# Altium PCB RTM_4SFP_3QSFP.PcbDoc (part 1 of 4) (continued)
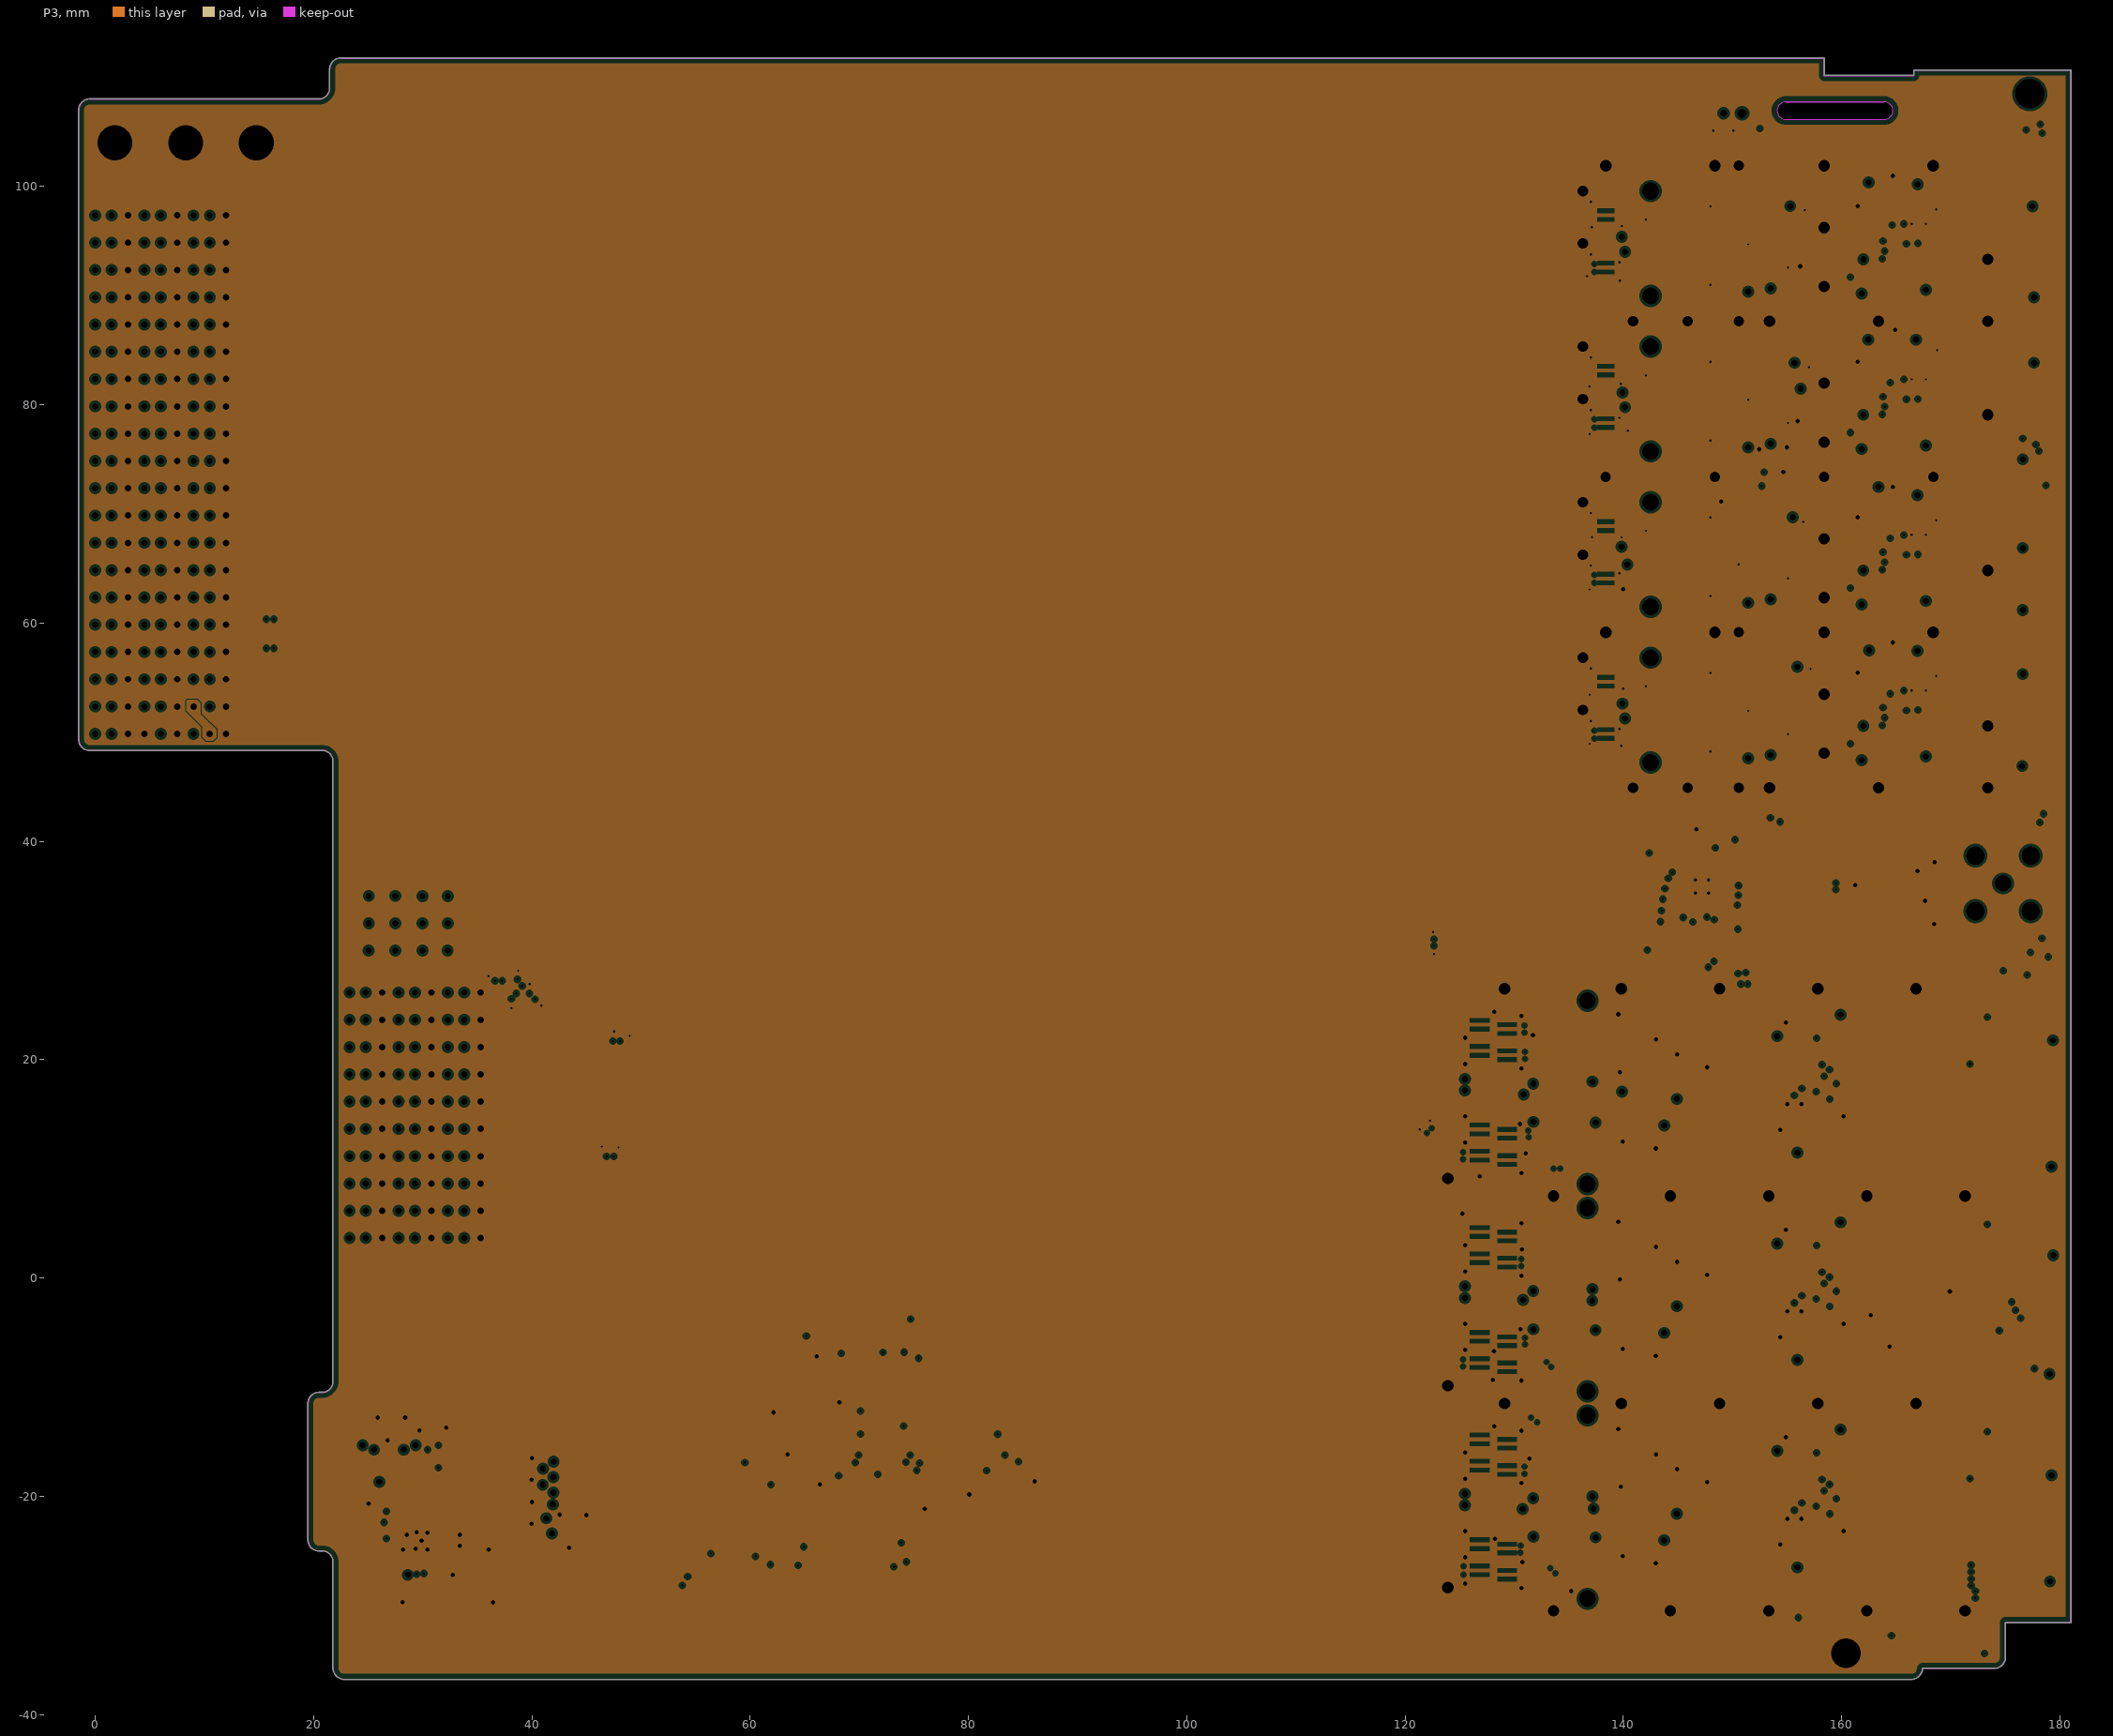
[diagram p3: P3, clearances drawn from the general rule]

## Layer stack, top to bottom
Top Solder: solder mask 0.01, Solder Resist, Dk 3.5
L1: signal copper 0.03
Dielectric1: prepreg 0.099, FR408, Dk 3.54
P2: plane copper 0.036, net (Multiple Nets)
Dielectric 3: core 1.25, FR408, Dk 3.54
P3: plane copper 0.036, net (Multiple Nets)
Dielectric 2: prepreg 0.099, FR408, Dk 3.54
L4: signal copper 0.03
Bottom Solder: solder mask 0.01, Solder Resist, Dk 3.5

## Board outline
19.475,-24 ccw(c20.5,-24) 20.5,-25.025 ccw(c20.5,-25) 20.501,-25.025 20.8,-25.025 cw(c20.8,-26) 21.775,-25.999 cw(c20.8,-26) 21.775,-26 cw(c21.8,-26) 21.775,-25.999 21.775,-26 21.775,-35.75 ccw(c21.8,-35.75) 21.775,-35.751 ccw(c22.8,-35.75) 22.799,-36.775 ccw(c22.8,-35.75) 22.8,-36.775 166.396,-36.775 ccw(c166.404,-36.751) 166.404,-36.777 ccw(c166.404,-35.751) 167.429,-35.777 174.004,-35.777 ccw(c174.004,-35.751) 174.004,-35.777 ccw(c174.004,-34.751) 175.029,-34.751 ccw(c175.004,-34.751) 175.025,-34.738 175.025,-31.576 180.999,-31.576 ccw(c180.999,-31.551) 181.024,-31.551 181.024,110.651 ccw(c180.999,110.651) 180.999,110.677 166.638,110.677 ccw(c166.638,110.651) 166.613,110.651 166.613,110.176 158.425,110.176 158.425,111.75 ccw(c158.4,111.75) 158.4,111.775 22.5,111.775 ccw(c22.5,111.75) 22.499,111.775 cw(c22.5,110.75) 22.5,111.775 cw(c22.5,111.75) 22.5,111.775 22.499,111.775 ccw(c22.5,110.75) 21.475,110.75 ccw(c21.5,110.75) 21.475,110.749 21.475,109 cw(c21.5,109) 21.475,109.001 21.475,109 cw(c20.5,109) 20.501,108.025 ccw(c20.5,108) 20.5,108.025 -0.5,108.025 ccw(c-0.5,108) -0.501,108.025 cw(c-0.5,107) -0.5,108.025 cw(c-0.5,108) -0.5,108.025 -0.501,108.025 ccw(c-0.5,107) -1.525,107 ccw(c-1.5,107) -1.525,106.999 -1.525,49.35 ccw(c-0.5,49.35) -0.501,48.325 ccw(c-0.5,49.35) -0.5,48.325 cw(c-0.5,48.35) -0.501,48.325 -0.5,48.325 20.8,48.325 ccw(c20.8,48.35) 20.801,48.325 ccw(c20.8,47.35) 20.8,48.325 cw(c20.8,48.35) 20.8,48.325 20.801,48.325 cw(c20.8,47.35) 21.775,47.351 cw(c20.8,47.35) 21.775,47.35 cw(c21.8,47.35) 21.775,47.351 21.775,47.35 21.775,-9.5 ccw(c21.8,-9.5) 21.775,-9.501 ccw(c20.8,-9.5) 21.775,-9.5 cw(c21.8,-9.5) 21.775,-9.5 21.775,-9.501 cw(c20.8,-9.5) 20.801,-10.475 ccw(c20.8,-10.5) 20.8,-10.475 20.5,-10.475 ccw(c20.5,-10.5) 20.499,-10.475 cw(c20.5,-11.5) 20.5,-10.475 cw(c20.5,-10.5) 20.5,-10.475 20.499,-10.475 ccw(c20.5,-11.5) 19.475,-11.5 ccw(c19.5,-11.5) 19.475,-11.501
cut-out: 154.904,106.149 163.904,106.149 ccw(c163.904,106.949) 163.904,107.749 154.904,107.749 ccw(c154.904,106.949)

## Design rules (kind name [scope] priority, off if disabled: settings)
AcuteAngle [All] p1: minimum=5.00000000000000E+0001 checktracksonly=FALSE
Clearance Clearance_copper_balancing [InPoly] p1: gap=0.254 ignorepadtopadclearanceinfootprint=FALSE
Clearance Clearance_Diff [All] p2 off: gap=0.25 ignorepadtopadclearanceinfootprint=FALSE
Clearance [All] p3: gap=0.102 ignorepadtopadclearanceinfootprint=FALSE except(0.508: Arc-Poly Track-Poly SMDPad-Poly THPad-Poly Via-Poly Fill-Poly Poly-Poly)
ComponentClearance ComponentClearance_FP [InComponent('FP200')] p1: gap=-1000 collisioncheckmode=3 verticalgap=-1000 showdistances=FALSE
ComponentClearance [All] p2: gap=0.2 collisioncheckmode=3 verticalgap=0.2 showdistances=FALSE
DiffPairsRouting IF_DiffPairsRouting [(InDifferentialPairClass('All Differential Pairs'))] p1: maxlimit=0.127 minlimit=0.107 mostfreqgap=0.107 toplayer_minwidth=0.117 toplayer_maxwidth=0.133 toplayer_prefwidth=0.117 bottomlayer_minwidth=0.117 bottomlayer_maxwidth=0.133 bottomlayer_prefwidth=0.117 substack1={2BE52C8A-5410-44B4-83DF-23F026BD8600} toplayer_{2be52c8a-5410-44b4-83df-23f026bd8600}_mingap=0.104 toplayer_{2be52c8a-5410-44b4-83df-23f026bd8600}_maxgap=0.104 toplayer_{2be52c8a-5410-44b4-83df-23f026bd8600}_prefgap=0.104 toplayer_{2be52c8a-5410-44b4-83df-23f026bd8600}_minwidth=0.117 toplayer_{2be52c8a-5410-44b4-83df-23f026bd8600}_maxwidth=0.117 toplayer_{2be52c8a-5410-44b4-83df-23f026bd8600}_prefwidth=0.117 bottomlayer_{2be52c8a-5410-44b4-83df-23f026bd8600}_mingap=0.127 bottomlayer_{2be52c8a-5410-44b4-83df-23f026bd8600}_prefgap=0.127 bottomlayer_{2be52c8a-5410-44b4-83df-23f026bd8600}_minwidth=0.133 bottomlayer_{2be52c8a-5410-44b4-83df-23f026bd8600}_maxwidth=0.133 bottomlayer_{2be52c8a-5410-44b4-83df-23f026bd8600}_prefwidth=0.133 impedanceprofiledriven=TRUE impedanceprofileid={B42DAE57-7A60-4D21-BB3C-F46E33F2B80F} impedanceprofilevalue=100.000000 maxuncoupledlength=50
FabricationTestPointUsage TestPointUsage [All] p1: valid=0 allowmultiple=FALSE
FabricationTestpoint Testpoint [(IsPad And (OnTopLayer Or OnBottomLayer))] p1: side=3 testpointundercomponent=TRUE minsize=1.016 maxsize=2.54 preferedsize=1.524 minholesize=0 maxholesize=1.016 preferedholesize=0.813 testpointgrid=0.025 allowsidetop=TRUE allowsidebottom=TRUE usegrid=TRUE gridtolerance=0
Height TopHeight [OnLayer('Top Layer (LO)')] p1: minheight=0 maxheight=1.6 prefheight=0.5
HoleSize [All] p1: absolutevalues=TRUE maxlimit=5 minlimit=0.1 maxpercent=80.000 minpercent=20.000
HoleToHoleClearance [All] p1: gap=0.4 allowstackedmicrovias=TRUE
Length [All] p1: maxlimit=2540 minlimit=0
MatchedLengths MatchedLengths_CLOCK [InNetClass('CLOCK')] p1: tolerance=0.1 checknetsindiffpair=FALSE checkdiffpairvsdiffpair=TRUE checkxsignals=TRUE checkothers=TRUE
MatchedLengths [InNetClass('IQ_SIGNAL')] p2 off: tolerance=0.05 checknetsindiffpair=TRUE checkdiffpairvsdiffpair=FALSE checkxsignals=FALSE checkothers=FALSE
MinimumAnnularRing [All] p1: minimumring=0.15
MinimumSolderMaskSliver [All] p1: minsoldermaskwidth=0.06
PlaneClearance PlaneClearance_RTM [(InNetClass('QSFP') or    InNetClass('Diff_100Ohm') ) AND    HasFootprint('TYCO_6469183-1')] p1: clearance=0.608
PlaneClearance PlaneClearance_diff [InNetClass('QSFP')   or    InNetClass('Diff_100Ohm')] p2: clearance=0.37
PlaneClearance [All] p3: clearance=0.25
PlaneConnect PlaneConnect_TYCO [HasFootprint('TYCO_6469183-1')   or HasFootprint('TYCO_2007132-1')    or HasFootprint('TYCO_2170737-1')] p1: planeconnectstyle=Direct reliefexpansion=0.508 reliefentries=4 reliefconductorwidth=0.254 reliefairgap=0.254
PlaneConnect [All] p2: pad.planeconnectstyle=Relief pad.reliefexpansion=0.152 pad.reliefentries=4 pad.reliefconductorwidth=0.203 pad.reliefairgap=0.152 via.planeconnectstyle=Direct via.reliefexpansion=0.508 via.reliefentries=4 via.reliefconductorwidth=0.254 via.reliefairgap=0.254
PolygonConnect [All] p1: thpad.connectstyle=Relief thpad.reliefconductorwidth=0.203 thpad.reliefentries=4 thpad.polygonreliefangle="90 Angle" thpad.airgapwidth=0.203 smdpad.connectstyle=Relief smdpad.reliefconductorwidth=0.203 smdpad.reliefentries=4 smdpad.polygonreliefangle="90 Angle" smdpad.airgapwidth=0.152 via.connectstyle=Direct via.reliefconductorwidth=0.254 via.reliefentries=4 via.polygonreliefangle="90 Angle" via.airgapwidth=0.254
RoomDefinition U_SFP3 [InComponentClass('U_SFP3')] p1: confinementstyle=ConfineIn formatcopy=TRUE lockcomponents=FALSE outline 133.449,58.547 184.949,58.547 184.949,74.095 133.449,74.095
RoomDefinition U_PWR [InComponentClass('U_PWR')] p2: confinementstyle=ConfineIn formatcopy=TRUE lockcomponents=FALSE outline 48.641,-10.135 48.641,-30.528 24.041,-30.528 24.041,-10.135
RoomDefinition U_QSFPC [InComponentClass('U_QSFPC')] p3: confinementstyle=ConfineIn formatcopy=TRUE lockcomponents=FALSE outline 185.166,-30.532 124.56,-30.532 124.56,-11.875 185.166,-11.875
RoomDefinition U_QSFPB [InComponentClass('U_QSFPB')] p4: confinementstyle=ConfineIn formatcopy=TRUE lockcomponents=FALSE outline 185.166,-11.532 124.56,-11.532 124.56,7.125 185.166,7.125
RoomDefinition U_QSFPA [InComponentClass('U_QSFPA')] p5: confinementstyle=ConfineIn formatcopy=TRUE lockcomponents=FALSE outline 185.166,7.468 124.56,7.468 124.56,26.125 185.166,26.125
RoomDefinition U_I2C_Switch [InComponentClass('U_I2C_Switch')] p6: confinementstyle=ConfineIn formatcopy=TRUE lockcomponents=FALSE outline 137.21,32 158.385,32 158.385,41.709 137.21,41.709
RoomDefinition U_SFP4 [InComponentClass('U_SFP4')] p7: confinementstyle=ConfineIn formatcopy=TRUE lockcomponents=FALSE outline 133.449,72.797 184.949,72.797 184.949,88.345 133.449,88.345
RoomDefinition U_SFP2 [InComponentClass('U_SFP2')] p8: confinementstyle=ConfineIn formatcopy=TRUE lockcomponents=FALSE outline 133.449,44.297 184.949,44.297 184.949,59.845 133.449,59.845
RoomDefinition U_SFP1 [InComponentClass('U_SFP1')] p9: confinementstyle=ConfineIn formatcopy=TRUE lockcomponents=FALSE outline 133.449,87.047 184.949,87.047 184.949,102.595 133.449,102.595
RoomDefinition U_USR_IO_IPMI [InComponentClass('U_USR_IO_IPMI')] p10: confinementstyle=ConfineIn formatcopy=TRUE lockcomponents=FALSE outline 117.65,-33.371 53.919,-33.371 53.919,-22.621 117.65,-22.621
RoomDefinition U_uRFB_Connectors [InComponentClass('U_uRFB_Connectors')] p11: confinementstyle=ConfineIn formatcopy=TRUE lockcomponents=FALSE outline 6.7,0.95 41.5,0.95 41.5,27.35 6.7,27.35
RoomDefinition U_RTM_Connectors [InComponentClass('U_RTM_Connectors')] p12: confinementstyle=ConfineIn formatcopy=TRUE lockcomponents=FALSE outline 18.3,52.92 -5.85,52.92 -5.85,97.57 18.3,97.57
RoomDefinition RTM_4SFP_3QSFP_TOP [InComponentClass('RTM_4SFP_3QSFP_TOP')] p13: confinementstyle=ConfineIn formatcopy=TRUE lockcomponents=FALSE outline 120.5,-35.15 128.55,-35.15 128.55,-25.3 120.5,-25.3
RoutingVias RoutingVias_GND [InNet('GND')] p1: holewidth=0.4 width=0.6 viastyle="Through Hole" minholewidth=0.4 minwidth=0.6 maxholewidth=0.4 maxwidth=0.6
RoutingVias RoutingVias_PWR [InNetClass('POWER')] p2: holewidth=0.6 width=0.8 viastyle="Through Hole" minholewidth=0.6 minwidth=0.8 maxholewidth=0.6 maxwidth=0.8
RoutingVias [All] p3: holewidth=0.2 width=0.5 viastyle="Through Hole" minholewidth=0.2 minwidth=0.5 maxholewidth=0.2 maxwidth=0.5
SMDNeckDown [All] p1: percent=100.000
SMDToCorner [All] p1: distance=78740
SMDToPlane [All] p1 off: distance=0
ShortCircuit ShortCircuit_SMA [(InComponent('P1') OR InComponent('P2') OR InComponent('P5') OR InComponent('P4')) vs (OnLayer('Keep-Out Layer') OR OnLayer('Multi-Layer'))] p1: allowed=TRUE
ShortCircuit [All] p2: allowed=FALSE
SilkToSilkClearance [All] p1: silktosilkclearance=0
SilkToSolderMaskClearance SilkscreenOverComponentPads [IsPad vs IsText] p1: minsilkscreentomaskgap=0.05 clearancetoexposedcopper=TRUE
SolderMaskExpansion [All] p1: expansion=0.07
UnRoutedNet [not InNet('RF_ZE') or not('GND')] p1:
ViasUnderSMD [All] p1: allowed=TRUE
Width Width_PWR [InNetClass('POWER')] p1: maxlimit=2 minlimit=0.254 preferedwidth=0.5
Width [All] p2: maxlimit=5.08 minlimit=0.127 preferedwidth=0.152
16 further rules are at their usual default settings.

## Classes and differential pairs
component class U_uRFB_Connectors: J8
net class Diff_100Ohm: ADC1_SYNC_N ADC1_SYNC_P ADC2_SYNC_N ADC2_SYNC_P CLKA_N CLKA_P CLKB_N CLKB_P GTP_CLK2_IN_N GTP_CLK2_IN_P LVDS0_N LVDS0_P LVDS1_N LVDS1_P LVDS2_N LVDS2_P LVDS3_N LVDS3_P
net class POWER: GND P3V3 P12V0 QSFP_VCC1A QSFP_VCC1B QSFP_VCC1C QSFP_VCCRXA QSFP_VCCRXB QSFP_VCCRXC QSFP_VCCTXA QSFP_VCCTXB QSFP_VCCTXC SFP_VCCRA SFP_VCCRB SFP_VCCRC SFP_VCCRD SFP_VCCTA SFP_VCCTB SFP_VCCTC SFP_VCCTD
net class DE: GTP0RX_N GTP0RX_P GTP0TX_N GTP0TX_P GTP1RX_N GTP1RX_P GTP1TX_N GTP1TX_P GTP2RX_N GTP2RX_P GTP2TX_N GTP2TX_P GTP3RX_N GTP3RX_P GTP3TX_N GTP3TX_P GTP4RX_N GTP4RX_P GTP4TX_N GTP4TX_P GTP5RX_N GTP5RX_P GTP5TX_N GTP5TX_P GTP6RX_N GTP6RX_P GTP6TX_N GTP6TX_P GTP7RX_N GTP7RX_P GTP7TX_N GTP7TX_P GTP8RX_N GTP8RX_P GTP8TX_N GTP8TX_P GTP9RX_N GTP9RX_P GTP9TX_N GTP9TX_P GTP10RX_N GTP10RX_P GTP10TX_N GTP10TX_P GTP11RX_N GTP11RX_P GTP11TX_N GTP11TX_P GTP12RX_N GTP12RX_P GTP12TX_N GTP12TX_P GTP13RX_N GTP13RX_P GTP13TX_N GTP13TX_P GTP14RX_N GTP14RX_P GTP14TX_N GTP14TX_P GTP15RX_N GTP15RX_P GTP15TX_N GTP15TX_P
channel class SFP: U_SFP1 U_SFP2 U_SFP3 U_SFP4
channel class QSFP: U_QSFPA U_QSFPB U_QSFPC
net class QSFP: GTP0RX_N GTP0RX_P GTP0TX_N GTP0TX_P GTP1RX_N GTP1RX_P GTP1TX_N GTP1TX_P GTP2RX_N GTP2RX_P GTP2TX_N GTP2TX_P GTP3RX_N GTP3RX_P GTP3TX_N GTP3TX_P GTP4RX_N GTP4RX_P GTP4TX_N GTP4TX_P GTP5RX_N GTP5RX_P GTP5TX_N GTP5TX_P GTP6RX_N GTP6RX_P GTP6TX_N GTP6TX_P GTP7RX_N GTP7RX_P GTP7TX_N GTP7TX_P GTP8RX_N GTP8RX_P GTP8TX_N GTP8TX_P GTP9RX_N GTP9RX_P GTP9TX_N GTP9TX_P GTP10RX_N GTP10RX_P GTP10TX_N GTP10TX_P GTP11RX_N GTP11RX_P GTP11TX_N GTP11TX_P GTP12RX_N GTP12RX_P GTP12TX_N GTP12TX_P GTP13RX_N GTP13RX_P GTP13TX_N GTP13TX_P GTP14RX_N GTP14RX_P GTP14TX_N GTP14TX_P GTP15RX_N GTP15RX_P GTP15TX_N GTP15TX_P
component class U_USR_IO_IPMI: C21 C25 C26 C27 C29 D1 IC4 IC6 IC8 IC10 IC14 LDx LDy LED17 PB1 R7 R8 R9 R14 R15 R16 R23 R24 R25 R26 R27 R28 R30 R31 R32 R33 R34 R35 R36 R44 R45 R46 R47 R48 R73 R74 R75 T1 T2
component class U_RTM_Connectors: C16 C17 C18 C19 C28 J1 J2 J3 J4 R2 TR1
component class U_SFP4: C12D C13D C14D C15D C20D C22D C23D C24D CON1D FB1D FB5D IC3D LD3D LD4D R37D R38D R39D R40D R41D R42D R43D
component class U_SFP3: C12C C13C C14C C15C C20C C22C C23C C24C CON1C FB1C FB5C IC3C LD3C LD4C R37C R38C R39C R40C R41C R42C R43C
component class U_SFP2: C12B C13B C14B C15B C20B C22B C23B C24B CON1B FB1B FB5B IC3B LD3B LD4B R37B R38B R39B R40B R41B R42B R43B
component class U_SFP1: C12A C13A C14A C15A C20A C22A C23A C24A CON1A FB1A FB5A IC3A LD3A LD4A R37A R38A R39A R40A R41A R42A R43A
component class U_QSFPC: C33C C34C C35C C36C C37C C38C C39C C40C C41C C42C C43C C44C FB2C FB3C FB4C IC2C J5C LD1C LD2C R10C R11C R12C R13C R17C R18C R29C
component class U_QSFPB: C33B C34B C35B C36B C37B C38B C39B C40B C41B C42B C43B C44B FB2B FB3B FB4B IC2B J5B LD1B LD2B R10B R11B R12B R13B R17B R18B R29B
component class U_QSFPA: C33A C34A C35A C36A C37A C38A C39A C40A C41A C42A C43A C44A FB2A FB3A FB4A IC2A J5A LD1A LD2A R10A R11A R12A R13A R17A R18A R29A
component class U_PWR: C1 C2 C3 C4 C5 C6 C7 C8 C9 C10 C11 R1 R3 R4 R5 R6 TP1 TP2
component class U_I2C_Switch: C402 IC39 R316 R317 R318 R319 R320 R321 R322 R323 R324 R325 R326 R327 R328 R329 R330 R331 R332 R333 R334 R335 R336 TP3 TP4
component class RTM_4SFP_3QSFP_TOP: Cage1 Cage2 FTG1 FTG2 FTG3 FTG4 FTG5 FTG6 FTG7 FTG8 R19 R20 R21 R22
net class 50R: NetC17_2 SMA_IO
differential pair GTP_CLK2_IN: +GTP_CLK2_IN_P -GTP_CLK2_IN_N
differential pair CLKB: +CLKB_P -CLKB_N
differential pair CLKA: +CLKA_P -CLKA_N
differential pair GTP0TX: +GTP0TX_P -GTP0TX_N
differential pair GTP0RX: +GTP0RX_P -GTP0RX_N
differential pair GTP15TX: +GTP15TX_P -GTP15TX_N
differential pair GTP15RX: +GTP15RX_P -GTP15RX_N
differential pair GTP14TX: +GTP14TX_P -GTP14TX_N
differential pair GTP14RX: +GTP14RX_P -GTP14RX_N
differential pair GTP13TX: +GTP13TX_P -GTP13TX_N
differential pair GTP13RX: +GTP13RX_P -GTP13RX_N
differential pair GTP12TX: +GTP12TX_P -GTP12TX_N
differential pair GTP12RX: +GTP12RX_P -GTP12RX_N
differential pair GTP11TX: +GTP11TX_P -GTP11TX_N
differential pair GTP11RX: +GTP11RX_P -GTP11RX_N
differential pair GTP10TX: +GTP10TX_P -GTP10TX_N
differential pair GTP10RX: +GTP10RX_P -GTP10RX_N
differential pair GTP9TX: +GTP9TX_P -GTP9TX_N
differential pair GTP9RX: +GTP9RX_P -GTP9RX_N
differential pair GTP8TX: +GTP8TX_P -GTP8TX_N
differential pair GTP8RX: +GTP8RX_P -GTP8RX_N
differential pair GTP7TX: +GTP7TX_P -GTP7TX_N
differential pair GTP7RX: +GTP7RX_P -GTP7RX_N
differential pair GTP6TX: +GTP6TX_P -GTP6TX_N
differential pair GTP6RX: +GTP6RX_P -GTP6RX_N
differential pair GTP5TX: +GTP5TX_P -GTP5TX_N
differential pair GTP5RX: +GTP5RX_P -GTP5RX_N
differential pair GTP4TX: +GTP4TX_P -GTP4TX_N
differential pair GTP4RX: +GTP4RX_P -GTP4RX_N
differential pair GTP3TX: +GTP3TX_P -GTP3TX_N
differential pair GTP3RX: +GTP3RX_P -GTP3RX_N
differential pair GTP2TX: +GTP2TX_P -GTP2TX_N
differential pair GTP2RX: +GTP2RX_P -GTP2RX_N
differential pair GTP1TX: +GTP1TX_P -GTP1TX_N
differential pair GTP1RX: +GTP1RX_P -GTP1RX_N
differential pair ADC1_SYNC: +ADC1_SYNC_P -ADC1_SYNC_N
differential pair ADC2_SYNC: +ADC2_SYNC_P -ADC2_SYNC_N
differential pair LVDS2: +LVDS2_P -LVDS2_N
differential pair LVDS3: +LVDS3_P -LVDS3_N
differential pair LVDS0: +LVDS0_P -LVDS0_N
differential pair LVDS1: +LVDS1_P -LVDS1_N

## Components (designator, comment, footprint, x,y, rotation, side; value= is the part's Value field where it differs from the comment)
C1 "10uF" CAPC2012X135N 37.991,-22.503 r180 bottom
C2 "10uF" CAPC2012X135N 37.991,-16.503 r180 bottom
C3 "10uF" CAPC2012X135N 37.991,-18.503 r180 bottom
C4 "10uF" CAPC2012X135N 37.991,-20.503 r180 bottom
C5 "100uF" CAPAE660X540N 43.841,-19.278 r270 bottom
C6 "10uF" CAPC3216X140N 25.891,-15.378 r270 bottom
C7 "10uF" CAPC3216X140N 28.393,-15.378 r270 bottom
C8 "100nF" CAPC1005X55N 25.591,-19.928 r0 bottom
C9 "1nF" CAPC1005X55N 30.303,-28.528 r270 bottom
C10 "100nF" CAPC1005X55N 25.241,-24.253 r90 bottom
C11 "12pF" CAPC1005X55N 32.146,-14.878 r270 bottom
C12A "10uF" CAPC2012X135N 150.55,93.625 r0 top (schematic designator C12)
C12B "10uF" CAPC2012X135N 150.55,50.875 r0 top (schematic designator C12)
C12C "10uF" CAPC2012X135N 150.55,65.125 r0 top (schematic designator C12)
C12D "10uF" CAPC2012X135N 150.55,79.375 r0 top (schematic designator C12)
C13A "100nF" CAPC1005X55N 139.2,94.25 r270 top (schematic designator C13)
C13B "100nF" CAPC1005X55N 139.2,51.5 r270 top (schematic designator C13)
C13C "100nF" CAPC1005X55N 139.2,65.75 r270 top (schematic designator C13)
C13D "100nF" CAPC1005X55N 139.2,80 r270 top (schematic designator C13)
C14A "10uF" CAPC2012X135N 154.15,93.7 r0 top (schematic designator C14)
C14B "10uF" CAPC2012X135N 154.15,50.95 r0 top (schematic designator C14)
C14C "10uF" CAPC2012X135N 154.15,65.2 r0 top (schematic designator C14)
C14D "10uF" CAPC2012X135N 154.15,79.45 r0 top (schematic designator C14)
C15A "1uF" CAPC1608X87N 154.3,91.7 r180 top (schematic designator C15)
C15B "1uF" CAPC1608X87N 154.3,48.95 r180 top (schematic designator C15)
C15C "1uF" CAPC1608X87N 154.3,63.2 r180 top (schematic designator C15)
C15D "1uF" CAPC1608X87N 154.3,77.45 r180 top (schematic designator C15)
C16 "100nF" CAPC0603X33N 160.685,34.7 r180 bottom
C17 "100nF" CAPC0603X33N 169.285,36.205 r180 bottom
C18 "10nF" CAPC1005X55N 168.86,34.545 r0 bottom
C19 "10nF" CAPC1005X55N 168.953,38.918 r0 bottom
C20A "100nF" CAPC1005X55N 167.55,99.25 r0 top (schematic designator C20)
C20B "100nF" CAPC1005X55N 167.55,56.5 r0 top (schematic designator C20)
C20C "100nF" CAPC1005X55N 167.55,70.75 r0 top (schematic designator C20)
C20D "100nF" CAPC1005X55N 167.55,85 r0 top (schematic designator C20)
C21 "100nF" CAPC1005X55N 151.943,75.209 r0 top
C22A "100nF" CAPC1005X55N 156.05,97.2 r0 top (schematic designator C22)
C22B "100nF" CAPC1005X55N 156.05,54.45 r0 top (schematic designator C22)
C22C "100nF" CAPC1005X55N 156.05,68.7 r0 top (schematic designator C22)
C22D "100nF" CAPC1005X55N 156.05,82.95 r0 top (schematic designator C22)
C23A "10uF" CAPC2012X135N 141,96.05 r90 top (schematic designator C23)
C23B "10uF" CAPC2012X135N 141,53.3 r90 top (schematic designator C23)
C23C "10uF" CAPC2012X135N 141,67.55 r90 top (schematic designator C23)
C23D "10uF" CAPC2012X135N 141.061,81.925 r90 top (schematic designator C23)
C24A "100nF" CAPC1005X55N 138.25,95.925 r90 top (schematic designator C24)
C24B "100nF" CAPC1005X55N 138.25,53.175 r90 top (schematic designator C24)
C24C "100nF" CAPC1005X55N 138.25,67.425 r90 top (schematic designator C24)
C24D "100nF" CAPC1005X55N 138.25,81.675 r90 top (schematic designator C24)
C25 "100nF" CAPC1005X55N 86.106,-19.99 r90 bottom
C26 "100nF" CAPC1005X55N 36.507,-28.422 r270 top
C27 "100nF" CAPC1005X55N 67.636,-18.889 r180 bottom
C28 "100nF" CAPC0603X33N 160.784,37.205 r180 bottom
C29 "100nF" CAPC1005X55N 162.713,-4.685 r90 top
C33A "10uF" CAPC2012X135N 138.582,17.958 r90 top (schematic designator C33)
C33B "10uF" CAPC2012X135N 138.582,-1.042 r90 top (schematic designator C33)
C33C "10uF" CAPC2012X135N 138.582,-20.042 r90 top (schematic designator C33)
C34A "100nF" CAPC0603X33N 130.516,17.983 r90 top (schematic designator C34)
C34B "100nF" CAPC0603X33N 130.479,-0.813 r90 top (schematic designator C34)
C34C "100nF" CAPC0603X33N 130.203,-20.117 r90 top (schematic designator C34)
C35A "10uF" CAPC2012X135N 144.924,18.567 r90 top (schematic designator C35)
C35B "10uF" CAPC2012X135N 144.924,-0.433 r90 top (schematic designator C35)
C35C "10uF" CAPC2012X135N 144.924,-19.433 r90 top (schematic designator C35)
C36A "1uF" CAPC1608X87N 146.753,18.491 r270 top (schematic designator C36)
C36B "1uF" CAPC1608X87N 146.753,-0.509 r270 top (schematic designator C36)
C36C "1uF" CAPC1608X87N 146.753,-19.509 r270 top (schematic designator C36)
C37A "1uF" CAPC1608X87N 155.194,12.649 r0 top (schematic designator C37)
C37B "1uF" CAPC1608X87N 155.194,-6.351 r0 top (schematic designator C37)
C37C "1uF" CAPC1608X87N 155.194,-25.351 r0 top (schematic designator C37)
C38A "100nF" CAPC0603X33N 143.002,12.929 r270 top (schematic designator C38)
C38B "100nF" CAPC0603X33N 143.002,-6.071 r270 top (schematic designator C38)